# Altium PCB xialeste.PcbDoc (part 5 of 10) (continued)
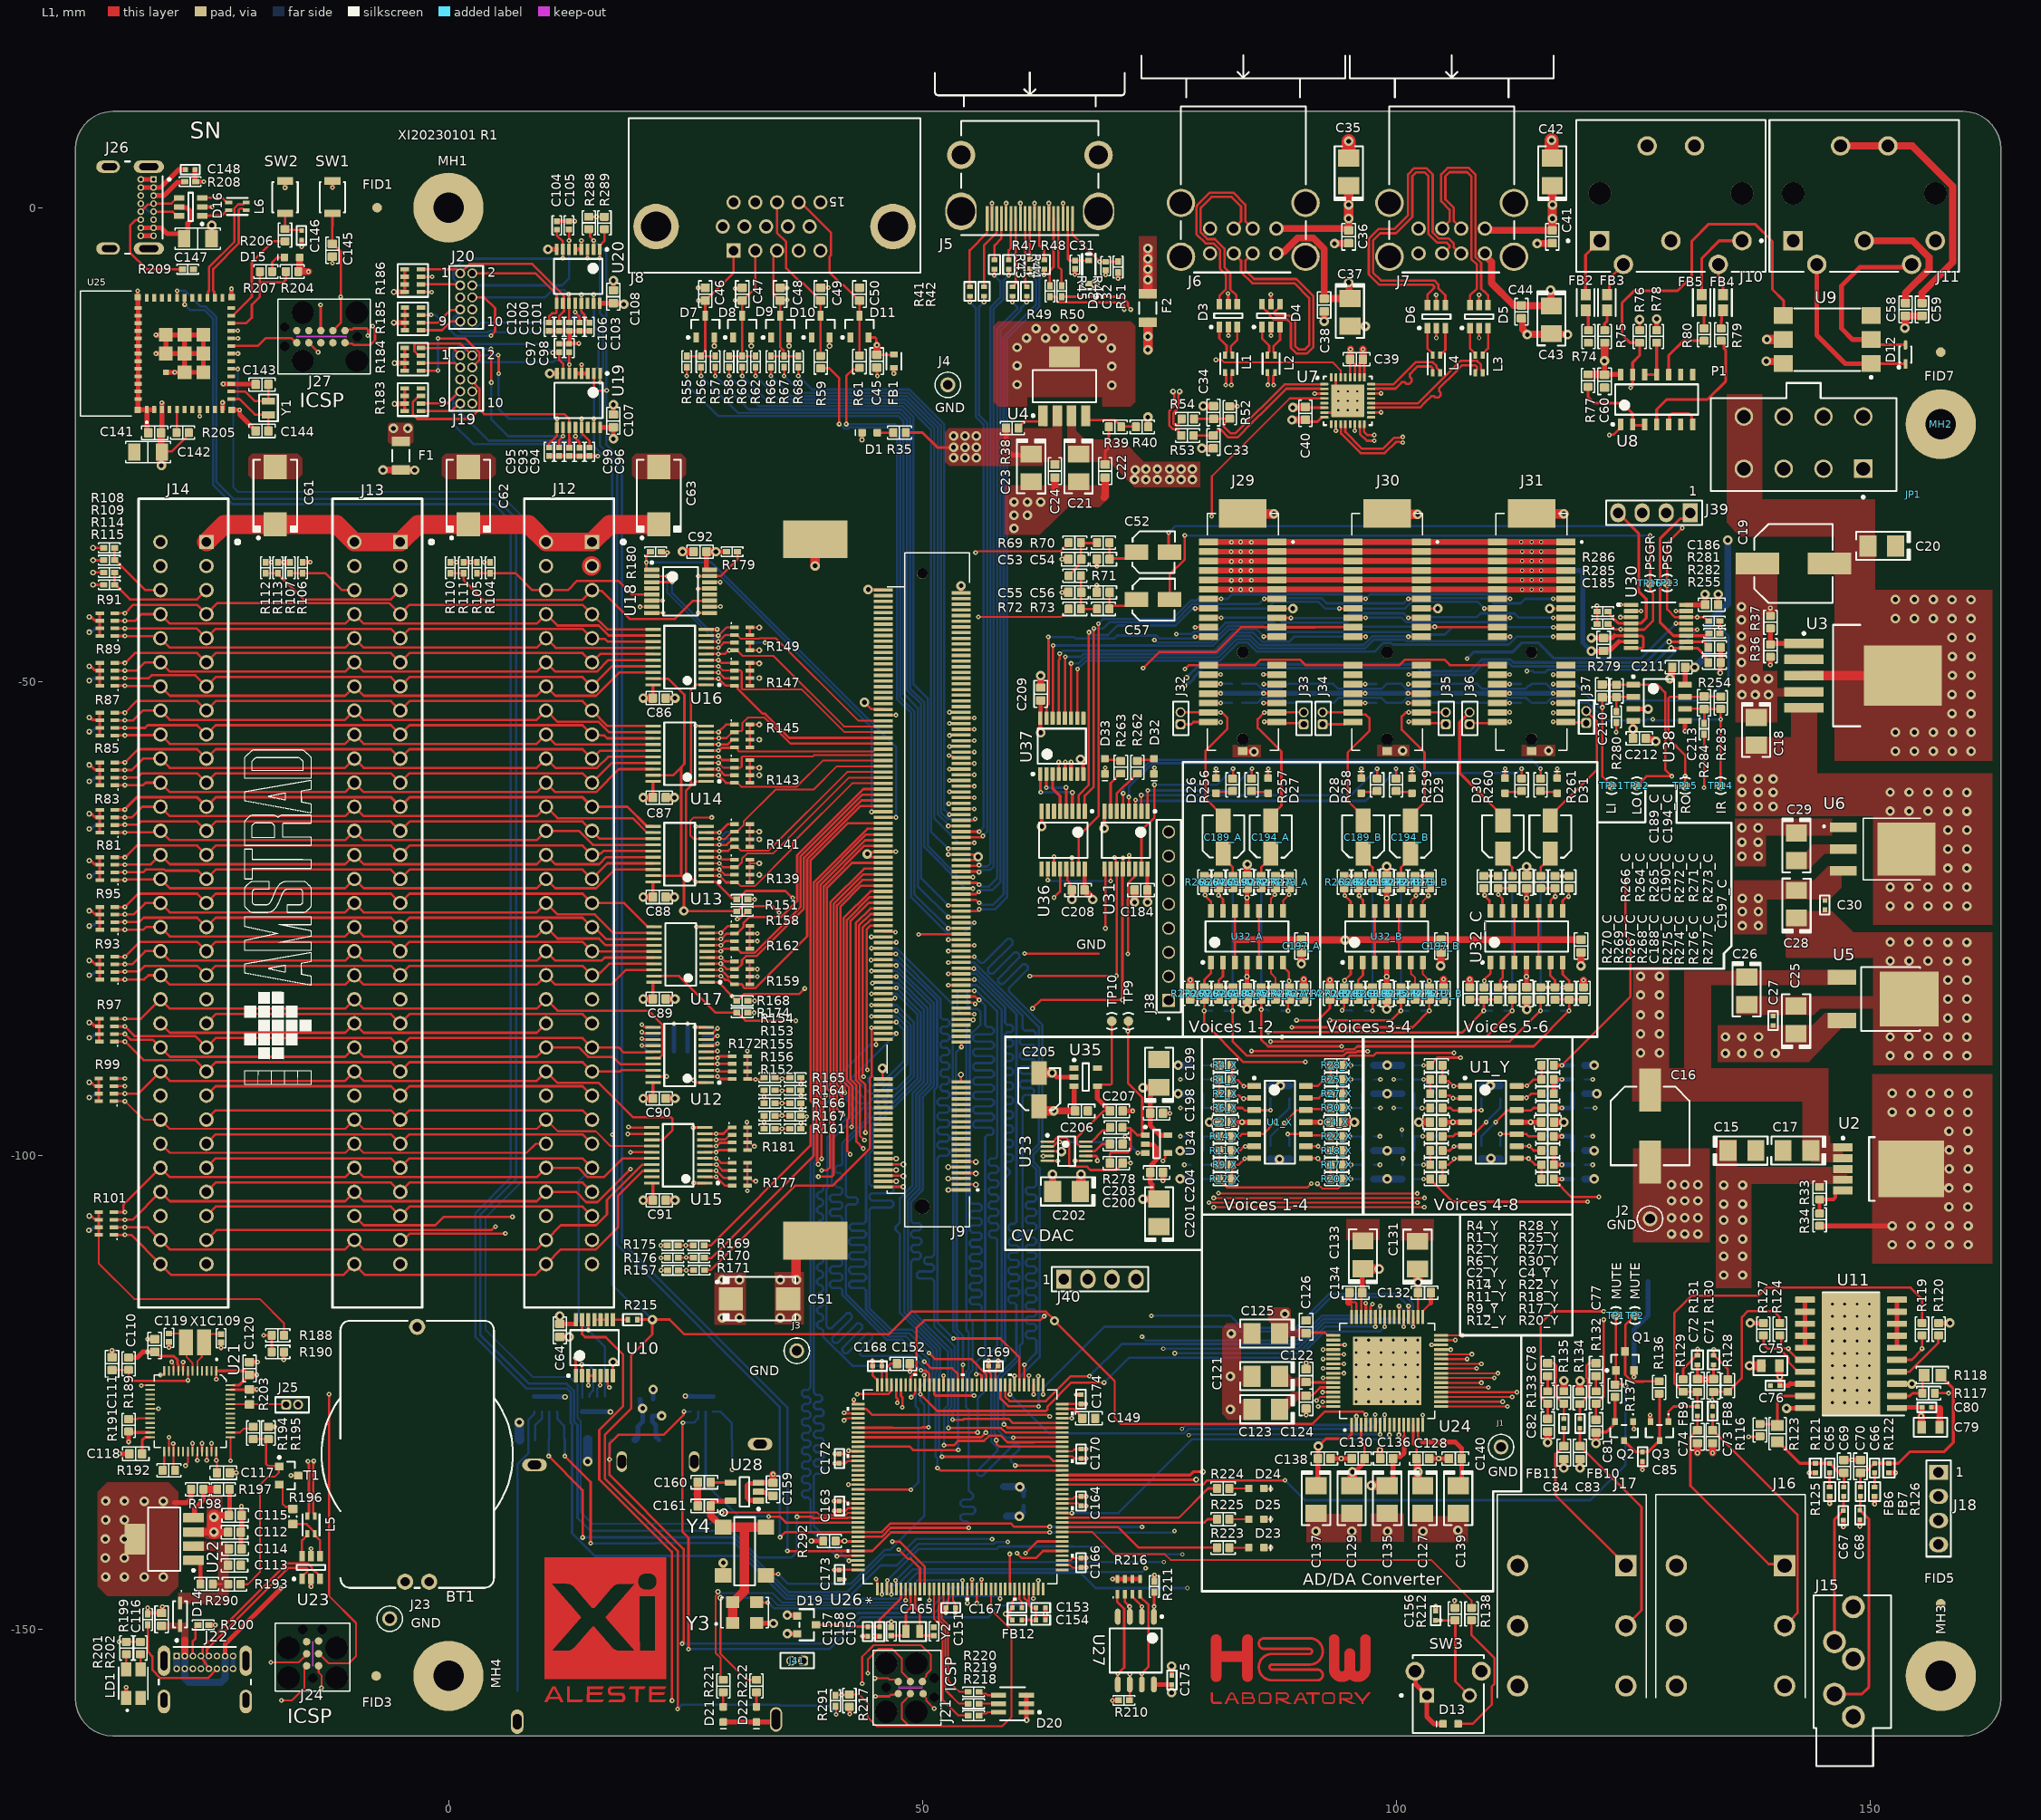
[diagram p0: L1 view]
## Nets (pads, with @x,y where several pads share a name; then routed paths per layer and width w, separated by ;. In a path a pad name is that pad's centre, name@x,y a point inside that pad or via, vN(x,y) a via of type N, cw(c..) or ccw(c..) an arc to the next point about the centre after c; other vN are vias at no path point) (continued)
  L1 w0.25: U12.3@27.2,-91.031 28.435,-91.031 28.554,-91.15 R172.3@29.95,-91.15 ; v1(44.2,-91) 44.2,-90.946 44.125,-90.871 44.125,-76.15 44.525,-75.75 J9.82@45.9,-75.75
  L3 w0.25: v1(28.381,-91.031) 28.397,-91.016 44.184,-91.016 v1(44.2,-91)
  L6 w0.25: v1@28.392,-91.031 28.435,-91.031 28.554,-91.15 R173.6@29.944,-91.15
/RESET: J12.52 J13.52 J14.52 R215.1 R291.2 U7.4 U19.15 U20.15 U24.4 U31.10 U36.10 | length 445.4
  L1 w0.2: J14.52@-30.464,-98.943 -30.194,-98.943 -29.395,-99.742 -10.893,-99.742 J13.52@-9.931,-98.78 -8.969,-99.742 8.258,-99.742 9.22,-98.78 J12.52@10.299,-98.78 ; R291.2@40.839,-158.142 40.9,-158.203 v1(40.9,-159) ; v1(63.247,-70.953) U36.10@63.247,-69.8 ; v2(63.949,-117.468) 70.311,-123.83 70.311,-127.738 70.899,-128.326 ; v1(69.875,-71.063) U31.10@69.875,-69.8 ; v1(80.543,-32.586) 80.558,-32.57 80.558,-28.342 88.775,-20.125 U7.4@92.425,-20.125 ; U24.4@96.81,-128.45 96.814,-128.446 96.814,-127.37 v1(96.817,-127.366)
  L1 w0.25: U20.15@15.323,-10.106 v1(15.323,-9.181) v1@15.376,-9.18 ; U19.15@15.35,-23.197 v1(15.35,-22.272) ; R215.1@20.029,-117.331 20.033,-117.328 20.906,-117.328 ; 20.906,-117.33 v2(21.511,-117.33) ; v1(24.173,-158.429) 24.189,-158.413 24.189,-141.765 16.51,-134.085 16.51,-129.498 19.3,-126.707 19.3,-121.1 21.511,-118.889 v2(21.511,-117.33) ; v2(63.949,-117.468) 63.949,-117.388 63.062,-116.501 48.851,-116.501 46.456,-118.895 24.895,-118.895 23.33,-117.33 v2(21.511,-117.33) ; 70.948,-128.359 91.155,-128.359 92.447,-127.066 96.517,-127.066 v1(96.817,-127.366)
  L3 w0.2: J12.52@10.3,-98.8 12.602,-98.8 13.584,-97.818 17.293,-97.818 v1(17.294,-97.819) ; v2(63.949,-117.468) 63.937,-117.456 63.937,-116.537 62.3,-114.9 62.3,-85.2 63.247,-84.253 v1(63.247,-70.953) 63.247,-66.937 61.8,-65.49 61.8,-51.802 61.85,-51.752 61.85,-49.84 61.8,-49.79 61.8,-38.763 67.977,-32.586 v1(80.543,-32.586)
  L6 w0.2: v1@63.255,-70.916 63.278,-70.916 63.424,-71.063 v1(69.875,-71.063)
  L6 w0.25: v1@15.376,-9.18 15.376,-12.576 15.825,-13.025 15.825,-16.768 15.35,-17.243 v1(15.35,-22.272) 15.35,-25.15 17.294,-27.094 v1(17.294,-97.819) 17.294,-113.669 19.079,-115.454 19.635,-115.454 v2(21.511,-117.33) ; v1(24.173,-158.429) 24.607,-157.995 34.932,-157.995 35.006,-158.068 40.126,-158.068 40.489,-158.431 40.489,-158.527 40.9,-158.938 v1(40.9,-159)
/RFSH: J9.88 R181.2 R182.7 U15.8 | length 47.5
  L1 w0.25: U15.8@27.05,-98.375 v1(28.25,-98.375) 28.288,-98.337 29.213,-98.337 29.7,-97.85 R181.2@29.95,-97.85 ; v1(43.9,-98.4) 43.418,-97.918 43.418,-92.485 42.975,-92.042 42.975,-75.5 44.525,-73.95 J9.88@45.9,-73.95
  L3 w0.25: v1(28.25,-98.375) 28.262,-98.388 43.888,-98.388 v1(43.9,-98.4)
  L6 w0.25: v1(28.25,-98.375) 28.26,-98.365 29.185,-98.365 29.7,-97.85 R182.7@29.95,-97.85
/ROMEN: J9.114 R177.2 R178.7 U15.4 | length 54.9
  L1 w0.25: U15.4@27.05,-100.975 v1(28.272,-100.975) 28.897,-101.6 R177.2@29.95,-101.6 ; v1(39.025,-100.955) 38.987,-100.917 38.987,-100.658 38.9,-100.572 38.9,-97.264 39.2,-96.964 39.2,-94.267 38.9,-93.967 38.9,-71.333 44.083,-66.15 J9.114@45.9,-66.15
  L3 w0.25: v1(28.272,-100.975) 28.282,-100.965 39.015,-100.965 v1(39.025,-100.955)
  L6 w0.25: v1(28.272,-100.975) 28.897,-101.6 R178.7@29.95,-101.6
/WR: J9.84 R172.4 R173.5 U12.2 | length 38.5
  L1 w0.25: U12.2@27.2,-91.681 28.435,-91.681 28.704,-91.95 R172.4@29.95,-91.95 ; v1(43.8,-91.7) 43.8,-91.646 43.725,-91.571 43.725,-75.95 44.525,-75.15 J9.84@45.9,-75.15
  L3 w0.25: v1(28.381,-91.681) 30.466,-91.681 30.722,-91.425 40.332,-91.425 40.607,-91.7 v1(43.8,-91.7)
  L6 w0.25: v1(28.381,-91.681) 28.435,-91.681 28.704,-91.95 29.915,-91.95 R173.5@29.944,-91.922
A0: J9.132 R139.4 R140.5 U13.2 | length 25.9
  L1 w0.2: R139.4@30.2,-71.2 30.45,-71.2 30.85,-71.6 32.333,-71.6 36.325,-67.608 36.325,-67.019 42.594,-60.75 J9.132@45.9,-60.75
  L1 w0.25: U13.2@27.2,-70.494 v1(28.58,-70.494) 29.286,-71.2 R139.4@30.2,-71.2
  L3 w0.2: v1(28.58,-70.494) v1@28.61,-70.494
  L6 w0.25: v1(28.58,-70.494) 29.286,-71.2 R140.5@30.2,-71.2
A1: J9.131 R139.3 R140.6 U13.3 | length 37
  L1 w0.25: U13.3@27.2,-69.844 28.602,-69.844 29.158,-70.4 R139.3@30.2,-70.4 ; J9.131@54.1,-61.05 v1(55.5,-61.05)
  L3 w0.25: v1(28.58,-69.844) 35.929,-69.844 44.722,-61.05 v1(55.5,-61.05)
  L6 w0.25: v1(28.58,-69.844) 28.602,-69.844 29.158,-70.4 R140.6@30.2,-70.4
A2: J9.134 R139.2 R140.7 U13.4 | length 24.8
  L1 w0.2: U13.4@27.2,-69.194 28.616,-69.194 28.616,-69.23 28.986,-69.6 30.45,-69.6 30.955,-69.095 30.955,-68.712 31.517,-68.15 34.259,-68.15 42.259,-60.15 J9.134@45.9,-60.15
  L6 w0.25: v1(28.58,-69.194) 28.616,-69.194 29.022,-69.6 R140.7@30.2,-69.6
A3: J9.133 R139.1 R140.8 U13.5 | length 33.7
  L1 w0.25: U13.5@27.2,-68.544 28.634,-68.544 28.89,-68.8 R139.1@30.2,-68.8 ; v1(52.875,-60.45) J9.133@54.1,-60.45
  L3 w0.2: v1(28.58,-68.544) 36.734,-68.544 44.827,-60.45
  L3 w0.25: 44.827,-60.45 v1(52.875,-60.45)
  L6 w0.25: v1(28.58,-68.544) 28.634,-68.544 28.89,-68.8 R140.8@30.2,-68.8
A4: J9.136 R141.4 R142.5 U13.6 | length 24.3
  L1 w0.2: R141.4@30.2,-67.45 30.45,-67.45 30.85,-67.85 33.775,-67.85 42.075,-59.55 J9.136@45.9,-59.55
  L1 w0.25: U13.6@27.2,-67.894 29.506,-67.894 29.95,-67.45 R141.4@30.2,-67.45
  L6 w0.25: v1(28.58,-67.894) 29.506,-67.894 29.95,-67.45 R142.5@30.2,-67.45
A5: J9.135 R141.3 R142.6 U13.7 | length 36.5
  L1 w0.25: U13.7@27.2,-67.244 29.356,-67.244 29.95,-66.65 R141.3@30.2,-66.65 ; J9.135@54.1,-59.85 v1(55.5,-59.85)
  L3 w0.25: v1(28.58,-67.244) 28.634,-67.244 28.734,-67.144 28.76,-67.144 36.032,-59.872 55.478,-59.872 v1(55.5,-59.85)
  L6 w0.25: v1(28.58,-67.244) 28.602,-67.244 29.195,-66.65 R142.6@30.2,-66.65
A6: J9.138 R141.2 R142.7 U13.8 U18.14 | length 56.3
  L1 w0.2: U13.8@26.558,-66.594 25.874,-66.594 25.509,-66.229 25.509,-64.739 25.896,-64.351 v1(27.783,-64.351) ; U13.8@27.2,-66.594 v1(28.58,-66.594) ; U18.14@27.55,-39.525 v1(28.675,-39.525) ; v1@28.618,-66.555 28.656,-66.594 29.206,-66.594 29.95,-65.85 30.45,-65.85 31.15,-65.15 31.15,-64.767 34.517,-61.4 38.534,-61.4 40.984,-58.95 J9.138@45.9,-58.95
  L3 w0.2: v1(27.783,-64.351) 27.786,-64.351 27.786,-43.79 28.216,-43.36 28.637,-43.36 29.434,-42.563 29.434,-40.284 v1(28.675,-39.525)
  L6 w0.25: v1(28.58,-66.594) 28.602,-66.594 29.343,-65.853 30.197,-65.853 R142.7@30.2,-65.85
A7: J9.137 R141.1 R142.8 U13.9 U18.13 | length 61.7
  L1 w0.25: v1(26.338,-40.221) 26.361,-40.198 27.527,-40.198 U18.13@27.55,-40.175 ; U13.9@27.2,-65.944 v1(28.58,-65.944) 29.474,-65.05 R141.1@30.2,-65.05 ; v1(52.875,-59.25) J9.137@54.1,-59.25
  L3 w0.25: v1(26.338,-40.221) 27.2,-41.083 27.2,-64.9 27.703,-65.403 28.039,-65.403 28.562,-65.926 v1@28.598,-65.926 ; v1(28.58,-65.944) v1@28.598,-65.926 ; v1@28.601,-65.926 v1@28.598,-65.926 ; v1(52.875,-59.25) 35.274,-59.25 v1@28.598,-65.926
  L6 w0.25: v1(28.58,-65.944) 29.474,-65.05 R142.8@30.2,-65.05
A8: J9.140 R143.4 R144.5 U14.2 | length 22.4
  L1 w0.2: R143.4@30.2,-60.7 30.3,-60.8 30.6,-60.8 30.9,-61.1 36.759,-61.1 39.509,-58.35 J9.140@45.9,-58.35
  L1 w0.25: U14.2@27.2,-59.9 v1(28.5,-59.9) 29.3,-60.7 R143.4@30.2,-60.7
  L6 w0.25: v1@28.502,-59.9 28.502,-59.902 29.3,-60.7 R144.5@30.2,-60.7
A9: J9.139 R143.3 R144.6 U14.3 | length 34.2
  L1 w0.25: U14.3@27.2,-59.25 27.205,-59.255 28.484,-59.255 v1(28.489,-59.261) ; v1@28.5,-59.25 28.522,-59.25 29.172,-59.9 R143.3@30.2,-59.9 ; J9.139@54.1,-58.65 v1(55.5,-58.65)
  L3 w0.2: v1(28.489,-59.261) v1@28.533,-59.261
  L3 w0.25: v1@28.533,-59.261 28.533,-59.239 29.472,-58.3 55.15,-58.3 v1(55.5,-58.65)
  L6 w0.25: v1@28.5,-59.25 28.522,-59.25 29.172,-59.9 R144.6@30.2,-59.9
A10: J9.142 R143.2 R144.7 U14.4 | length 21.9
  L1 w0.2: U14.4@27.2,-58.6 v1(28.5,-58.6) 29,-59.1 30.833,-59.1 30.95,-58.983 30.95,-58.017 31.067,-57.9 38.459,-57.9 38.609,-57.75 J9.142@45.9,-57.75
  L6 w0.25: v1(28.5,-58.6) 29,-59.1 R144.7@30.2,-59.1
A11: J9.141 R143.1 R144.8 U14.5 | length 30.7
  L1 w0.25: U14.5@27.2,-57.95 28.554,-57.95 28.904,-58.3 R143.1@30.2,-58.3 ; v1(52.813,-57.825) 52.851,-57.863 53.088,-57.863 53.275,-58.05 J9.141@54.1,-58.05
  L3 w0.25: v1(28.5,-57.95) 52.634,-57.95 52.759,-57.825 v1(52.813,-57.825)
  L6 w0.25: v1(28.5,-57.95) 28.554,-57.95 28.904,-58.3 R144.8@30.2,-58.3
A12: J9.144 R145.4 R146.5 U14.6 | length 21.1
  L1 w0.2: R145.4@30.2,-56.95 30.441,-56.95 30.541,-57.05 30.541,-57.283 30.659,-57.4 44.792,-57.4 44.817,-57.375 44.883,-57.375 45,-57.258 45,-57.225 45.075,-57.15 J9.144@45.9,-57.15
  L1 w0.25: U14.6@27.2,-57.3 27.205,-57.295 28.484,-57.295 v1(28.489,-57.289) ; v1@28.5,-57.3 28.532,-57.3 28.832,-57 30.15,-57 R145.4@30.2,-56.95
  L6 w0.25: v1@28.5,-57.3 28.532,-57.3 28.832,-57 30.15,-57 R146.5@30.2,-56.95
A13: J9.143 R145.3 R146.6 U14.7 | length 33.8
  L1 w0.25: U14.7@27.2,-56.65 29.45,-56.65 29.95,-56.15 R145.3@30.2,-56.15 ; J9.143@54.1,-57.45 v1(55.5,-57.45)
  L3 w0.25: v1(28.5,-56.65) 28.522,-56.65 29.222,-57.35 53.01,-57.35 53.11,-57.45 v1(55.5,-57.45)
  L6 w0.25: v1(28.5,-56.65) 29.45,-56.65 29.95,-56.15 R146.6@30.2,-56.15
A14: J9.146 R145.2 R146.7 U14.8 | length 23.1
  L1 w0.2: U14.8@27.2,-55.98 27.208,-55.988 28.488,-55.988 v1@28.512,-55.965 ; v1@28.527,-55.977 29.323,-55.977 29.973,-55.327 R145.2@30.2,-55.327 ; R145.2@30.2,-55.35 30.3,-55.25 30.883,-55.25 31,-55.133 31,-54.417 31.617,-53.8 33.34,-53.8 36.09,-56.55 J9.146@45.88,-56.55
  L6 w0.25: v1(28.523,-55.977) 29.323,-55.977 29.95,-55.35 R146.7@30.2,-55.35
A15: J9.145 R145.1 R146.8 U14.9 | length 31.6
  L1 w0.25: U14.9@27.2,-55.35 v1(28.5,-55.35) 29.3,-54.55 R145.1@30.2,-54.55 ; v1(52.875,-56.85) J9.145@54.1,-56.85
  L3 w0.25: v1(28.5,-55.35) 37.148,-55.35 38.648,-56.85 v1(52.875,-56.85)
  L6 w0.25: v1(28.5,-55.35) 29.3,-54.55 R146.8@30.2,-54.55
A16: J9.148 R147.4 R148.5 U16.2 | length 23.4
  L1 w0.25: U16.2@27.2,-49.7 27.205,-49.705 28.493,-49.705 29.238,-50.45 R147.4@30.2,-50.45 ; R147.4@30.2,-50.45 30.45,-50.45 30.525,-50.525 30.525,-50.768 33.166,-53.409 33.409,-53.409 35.95,-55.95 J9.148@45.9,-55.95
  L6 w0.25: v1(28.497,-49.709) 29.238,-50.45 R148.5@30.2,-50.45
A17: J9.147 R147.3 R148.6 U16.3 | length 36.6
  L1 w0.25: U16.3@27.2,-49.05 28.51,-49.05 29.11,-49.65 R147.3@30.2,-49.65 ; J9.147@54.1,-56.25 v1(55.5,-56.25)
  L3 w0.2: v1(28.488,-49.05) 31.343,-49.05
  L3 w0.25: 31.343,-49.05 38.543,-56.25 v1(55.5,-56.25)
  L6 w0.25: v1(28.488,-49.05) 28.51,-49.05 29.11,-49.65 R148.6@30.2,-49.65
A18: J9.150 R147.2 R148.7 U16.4 | length 24.5
  L1 w0.2: U16.4@27.2,-48.4 v1(28.488,-48.4) 28.938,-48.85 R147.2@30.2,-48.85 ; R147.2@30.2,-48.85 30.833,-48.85 30.95,-48.967 30.95,-50.733 31.067,-50.85 37.29,-50.85 41.789,-55.35 J9.150@45.9,-55.35
  L6 w0.25: v1(28.488,-48.4) 28.51,-48.4 28.96,-48.85 R148.7@30.2,-48.85
A19: J9.149 R147.1 R148.8 U16.5 | length 34.3
  L1 w0.25: U16.5@27.2,-47.75 28.542,-47.75 28.842,-48.05 R147.1@30.2,-48.05 ; v1(52.875,-55.7) 52.9,-55.675 54.075,-55.675 J9.149@54.1,-55.65
  L3 w0.2: v1(28.488,-47.75) 30.723,-47.75 31.173,-47.3 33.739,-47.3 42.139,-55.7 v1(52.875,-55.7)
  L6 w0.25: v1(28.488,-47.75) 28.542,-47.75 28.842,-48.05 R148.8@30.2,-48.05
A20: J9.152 R149.4 R150.5 U16.6 | length 22.8
  L1 w0.2: R149.4@30.2,-46.7 30.45,-46.7 31.05,-47.3 34.3,-47.3 41.75,-54.75 J9.152@45.794,-54.75
  L1 w0.25: U16.6@27.2,-47.1 v1(28.488,-47.1) 29.176,-47.1 29.576,-46.7 v1(29.625,-46.7)
  L6 w0.25: v1(28.488,-47.1) 29.157,-47.1 29.557,-46.7 v1@29.6,-46.7
A21: J9.151 R149.3 R150.6 U16.7 | length 37.5
  L1 w0.25: U16.7@27.2,-46.45 28.51,-46.45 29.06,-45.9 R149.3@30.2,-45.9 ; J9.151@54.1,-55.05 v1(55.5,-55.05)
  L3 w0.2: v1(28.488,-46.45) 29.239,-46.45 29.489,-46.2 33.064,-46.2 42.089,-55.225 55.257,-55.225 55.432,-55.05 v1(55.5,-55.05)
  L6 w0.25: v1(28.488,-46.45) 28.51,-46.45 29.06,-45.9 R150.6@30.2,-45.9
A22: J9.154 R149.2 R150.7 U16.8 U18.2 | length 35.7
  L1 w0.2: U18.2@21.45,-38.875 21.462,-38.888 23.088,-38.888 v1(23.1,-38.9) ; U16.8@27.204,-45.804 27.207,-45.8 28.48,-45.8 v1@28.484,-45.804 ; v1(28.488,-45.8) 29.184,-45.104 30.454,-45.104 30.85,-45.5 32.775,-45.5 32.825,-45.45 34.56,-45.45 43.264,-54.154 J9.154@45.896,-54.154
  L6 w0.2: v1(23.1,-38.9) 23.1,-40.638 27.918,-45.457 28.089,-45.457 28.432,-45.8 v1(28.488,-45.8)
  L6 w0.25: v1(28.488,-45.8) 28.51,-45.8 29.21,-45.1 R150.7@30.2,-45.1
A23: J9.153 R149.1 R150.8 U16.9 U18.3 | length 45
  L1 w0.2: U16.9@27.2,-45.15 27.21,-45.16 28.458,-45.16 v1(28.468,-45.17) 29.338,-44.3 R149.1@30.2,-44.3
  L1 w0.25: U18.3@21.45,-39.525 21.462,-39.512 23.588,-39.512 v1(23.6,-39.5) ; v1(52.875,-54.425) 52.887,-54.438 54.087,-54.438 J9.153@54.1,-54.45
  L3 w0.2: v1(28.468,-45.17) 43.62,-45.17 v1(52.875,-54.425)
  L6 w0.25: v1(23.6,-39.5) 23.6,-40.679 28.053,-45.132 28.43,-45.132 v1(28.468,-45.17) 29.338,-44.3 R150.8@30.2,-44.3
ADJ3V3: R39.1 R40.1 U4.4 | length 6.2
  L1 w0.25: U4.4@67,-21.75 67,-21.811 67.625,-22.436 70.35,-22.436 71,-23.086 72.5,-23.086 R40.1@72.55,-23.136
AGND: C2_X.2 C2_Y.2 C4_X.2 C4_Y.2 C5_X.1 C5_Y.1 C8_X.1 C8_Y.1 C11_X.1 C11_Y.1 C14_X.1 C14_Y.1 C15.2 C16.2 C17.2 C18.1 C19.1 C20.1 C25.2 C26.2 C27.2 C28.1 C29.1 C30.2 C53.1 C54.1 C55.2 C56.2 C67.2 C68.2 C69.1 C70.1 C71.1 C72.1 C73.1 C74.1 C75.2 C76.2 C79.1 C80.1 C81.1 C82.1 C83.1 C84.1 C85.1 C121.2 C122.2 C123.2 C124.2 C125.2 C126.2 C127.2 C128.2 C129.2 C130.2 C131.2 C132.2 C137.2 C138.2 C139.2 C140.2 C185.2 C186.2 C188_A.2 C188_B.2 C188_C.2 C190_A.2 C190_B.2 C190_C.2 C197_A.1 C197_B.1 C197_C.1 C198.1 C199.2 C201.1 C202.2 C203.1 C204.1 C205.2 C206.1 C207.1 C211.2 C212.2 J1.1 J2.1 J15.1 J16.S J17.S J29.A3 J29.A6 J29.A13 J29.A15 J29.B3 J29.B6 J29.B13 J29.B15 J29.S1 J29.S2 J30.A3 J30.A6 J30.A13 J30.A15 J30.B3 J30.B6 J30.B13 J30.B15 J30.S1 J30.S2 J31.A3 J31.A6 J31.A13 J31.A15 J31.B3 J31.B6 J31.B13 J31.B15 J31.S1 J31.S2 J40.1 JP1.2 pad.66 pad.67 pad.68 pad.69 pad.70 pad.71 pad.72 pad.73 pad.74 pad.75 pad.76 pad.77 pad.78 pad.79 pad.80 pad.81 pad.82 pad.83 pad.84 pad.85 pad.86 pad.87 pad.88 pad.89 pad.90 pad.91 pad.92 pad.93 pad.94 pad.95 pad.96 pad.97 pad.98 pad.99 pad.100 pad.101 Q2.2 Q3.2 R7_X.1 R7_Y.1 R8_X.1 R8_Y.1 R15_X.1 R15_Y.1 R16_X.1 R16_Y.1 R23_X.1 R23_Y.1 R24_X.1 R24_Y.1 R31_X.1 R31_Y.1 R32_X.1 R32_Y.1 R34.1 R37.1 R120.1 R121.1 R122.1 R125.1 R126.1 R127.1 R130.1 R131.1 R134.1 R135.1 R137.1 R254.1 R255.1 R270_A.1 R270_B.1 R270_C.1 R277_A.1 R277_B.1 R277_C.1 U2.6 U3.2 U3.4 U5.4 U6.1 U11.6 U11.7 U11.8 U11.9 U11.10 U11.11 U11.12 U11.13 U11.14 U11.15 U11.21@148,-120.95 U24.2 U24.16 U24.33 U24.50 U24.65 U30.6 U30.8 U33.3 U35.2 U38.3 U38.5 | length 339.2
  L1 w0.2: U24.2@95.81,-128.45 95.812,-128.448 95.812,-127.543 v1(95.814,-127.541) ; U24.33@102.81,-117.05 102.81,-116.44 103.675,-115.575
  L1 w0.25: U33.3@63.202,-99.572 64.672,-99.572 v2(64.7,-99.6) ; C203.1@71.152,-98.823 71.381,-98.594 71.381,-98.047 v1(71.419,-98.009) ; J29.B15@80.22,-51.28 80.235,-51.265 81.485,-51.265 v1@81.5,-51.28 ; J29.B13@80.22,-49.28 80.235,-49.265 81.485,-49.265 v1(81.5,-49.25) ; v1(86,-49.25) 86.015,-49.265 87.405,-49.265 J29.A13@87.42,-49.28 ; v1(86.015,-51.25) 86.03,-51.265 87.405,-51.265 J29.A15@87.42,-51.28 ; J30.B15@95.46,-51.28 95.475,-51.265 96.735,-51.265 v1(96.75,-51.25) ; v1(101.265,-51.25) 101.28,-51.265 102.645,-51.265 J30.A15@102.66,-51.28 ; v1(101.335,-49.25) 101.35,-49.265 102.645,-49.265 J30.A13@102.66,-49.28 ; J31.B15@110.7,-51.28 110.715,-51.265 111.97,-51.265 v1(111.985,-51.25) ; J31.B13@110.7,-49.28 110.715,-49.265 111.985,-49.265 v1(112,-49.25) ; v1(116.575,-51.25) 116.59,-51.265 117.885,-51.265 J31.A15@117.9,-51.28 ; v1(116.575,-49.28) J31.A13@117.9,-49.28
  L1 w0.3: U24.16@102.81,-128.45 v1(102.81,-127.41) ; C81.1@121.1,-129.25 121.15,-129.2 122.2,-129.2 123.1,-128.3 Q2.2@123.1,-128.1 R137.1@123.1,-125.5 ; 123.025,-45.175 U30.6@124.8,-45.175 124.825,-45.2 125.924,-45.2 126.1,-45.376 126.1,-46.324 125.924,-46.5 U30.8@124.7,-46.5 ; C72.1@131.8,-123.625 R131.1@131.8,-122.2 ; C71.1@133.325,-123.625 C71.1@133.4,-123.7 ; C71.1@133.5,-123.625 R130.1@133.5,-122.1
  L1 w0.4: J29.S2@83.82,-57.335 83.852,-57.368 84.968,-57.368 v2(85,-57.4) ; J29.S1@83.82,-32.28 J29.S1@83.84,-32.3
  L1 w0.5: v2(63.7,-91.3) 63.71,-91.3 64.16,-91.75 U35.2@66.025,-91.75 ; v1(64.75,-40.6) C55.2@65.425,-40.6 ; v1(64.75,-37.1) C53.1@65.425,-37.1 ; v1(68.409,-39.85) 68.409,-40.584 C56.2@68.425,-40.6 ; v1(68.419,-37.85) 68.419,-37.106 C54.1@68.425,-37.1 ; C207.1@71.152,-95.322 v1(72.227,-95.322) ; v1(75.4,-102.7) 75.4,-101.824 C204.1@75.402,-101.822 ; C198.1@75.402,-95.572 v1(76.128,-95.572) ; v1(90.5,-127.411) C124.2@90.5,-126.736 ; C122.2@90.5,-122.575 v1(90.5,-121.9) ; C138.2@93.1,-132 v3(94.2,-132) C130.2@95.325,-132 ; C128.2@103.5,-132 v3(104.5,-132) C140.2@105.575,-132 ; 103.675,-115.575 C132.2@103.675,-114.5 ; v2@120.5,-45.4 120.513,-45.413 C185.2@121.9,-45.413 ; C185.2@121.9,-45.425 121.935,-45.39 122.81,-45.39 123.025,-45.175 ; U38.3@125.025,-52.885 125.033,-52.892 126.592,-52.892 v2(126.6,-52.9) ; v1(126,-133.2) C85.1@126,-132.3 ; v1(126.8,-127.4) 126.8,-128.05 Q3.2@126.85,-128.1 ; U38.5@130.475,-54.155 130.475,-55.225 v1(130.5,-55.25) ; C186.2@133.975,-41.9 133.987,-41.888 133.987,-40.813 v2(134,-40.8) ; v3(134.2,-49.1) 134.219,-49.081 134.219,-48.031 R254.1@134.25,-48 R255.1@134.25,-46.4 ; v2(137.368,-117.7) R127.1@138.75,-117.7 ; R37.1@139.5,-43.1 v1(139.5,-42.25) ; U11.15@143.15,-120.315 U11.14@143.15,-119.045 U11.13@143.15,-117.775 U11.12@143.15,-116.505 U11.11@143.15,-115.235 ; v1(143.6,-133.5) R121.1@144.25,-133.5 ; R34.1@144.7,-107.45 152.25,-107.45 v2@152.3,-107.5 ; v1(145.75,-136.75) R125.1@145.75,-136 ; v1(147.2,-139.2) C67.2@147.2,-138.5 ; C69.1@147.25,-132.15 v1(148.103,-132.15) 148.75,-132.15 C70.1@148.8,-132.2 ; v1(148.944,-139.165) C68.2@148.944,-138.456 ; v1(150.5,-136.8) R126.1@150.5,-136 ; R122.1@152,-133.5 v1(152.7,-133.5) ; U11.6@152.85,-120.315 U11.7@152.85,-119.045 U11.8@152.85,-117.775 U11.9@152.85,-116.505 U11.10@152.85,-115.235 ; C80.1@156.5,-126.6 156.504,-126.604 157.304,-126.604 157.4,-126.7 157.375,-126.725 ; R120.1@157.25,-117.7 v2(158.444,-117.7)
  L1 w0.6: J29.B6@80.22,-40.28 80.24,-40.3 87.4,-40.3 J29.A6@87.42,-40.28 J30.B6@95.46,-40.28 J30.A6@102.66,-40.28 J31.B6@110.7,-40.28 110.72,-40.3 v4(113.3,-40.3) 117.83,-40.3 J31.A6@117.85,-40.28 ; J29.B3@80.22,-37.28 v1@83.58,-37.28 ; v1(83.6,-37.3) v1@83.58,-37.28 ; J31.A3@117.9,-37.28 117.88,-37.3 v4(115.3,-37.3) 110.72,-37.3 J31.B3@110.7,-37.28 J30.A3@102.66,-37.28 J30.B3@95.46,-37.28 J29.A3@87.42,-37.28 v1@83.58,-37.28
  L1 w0.75: v2(63.75,-102) 63.759,-102.008 63.759,-103.814 C202.2@63.767,-103.822 ; R270_A.1@78.267,-82.272 78.3,-82.239 v1(78.3,-81.5) ; v2(80.3,-96.5) C2_X.2@81.325,-96.5 ; v2(84.267,-84.567) C188_A.2@84.267,-83.597 ; C190_A.2@84.267,-70.497 84.283,-70.48 84.283,-69.317 v2(84.3,-69.3) ; v2(90,-79.8) 90.008,-79.792 90.008,-78.605 C197_A.1@90.017,-78.597 ; R277_A.1@90.267,-82.272 v1(90.267,-81.433) ; v1(93,-81.5) 93,-82.255 R270_B.1@93.017,-82.272 ; C4_X.2@94.425,-96.5 v2(95.6,-96.5) ; v2(99.017,-84.583) C188_B.2@99.017,-83.597 ; C190_B.2@99.017,-70.497 v2(99.017,-69.522) ; v2(102.4,-96.5) C2_Y.2@103.575,-96.5 ; v2(104.7,-80) 104.734,-79.966 104.734,-78.631 C197_B.1@104.767,-78.597 ; R277_B.1@105.017,-82.272 v1(105.017,-81.417) ; R270_C.1@107.767,-82.272 v1(107.767,-81.433) ; C188_C.2@113.767,-83.597 113.784,-83.613 113.784,-84.584 v2(113.8,-84.6) ; C190_C.2@113.767,-70.497 v2(113.767,-69.533) ; v2(116,-130.3) C82.1@116,-129.15 ; C4_Y.2@116.675,-96.5 v2(117.7,-96.5) ; v2(117.7,-133) C84.1@117.7,-132.05 ; R135.1@117.7,-124.9 117.71,-124.89 117.71,-123.79 v2(117.72,-123.78) ; R134.1@119.38,-124.935 119.39,-124.925 119.39,-123.81 v2(119.4,-123.8) ; v2(119.4,-133) C83.1@119.4,-132.05 ; v2(119.5,-80) 119.509,-79.991 119.509,-78.606 C197_C.1@119.517,-78.597 ; R277_C.1@119.767,-82.272 v1(119.767,-81.533) ; v2(121.1,-130.4) C81.1@121.1,-129.25 ; C212.2@126.35,-56 126.425,-56.075 126.425,-56.125 127.124,-56.125 127.332,-56.333 v2(127.4,-56.333) ; v2(128.9,-49.7) 128.9,-49.632 129.075,-49.457 129.075,-48.575 C211.2@129.15,-48.5 ; v1(131.8,-131.4) C74.1@131.8,-130.375 ; C72.1@131.8,-123.625 v1(132.675,-123.625) 133.325,-123.625 133.375,-123.625 C71.1@133.5,-123.5 ; v1(133.4,-131.4) C73.1@133.4,-130.375 ; C79.1@157.35,-128.7 157.375,-128.675 157.375,-126.725
  L1 w1: C205.2@62.336,-91.334 62.369,-91.3 v2(63.7,-91.3) ; J29.S1@83.84,-32.3 v2(87.1,-32.3) ; J30.S1@99.06,-32.28 99.135,-32.355 v2(102.28,-32.355) ; J31.S1@114.3,-32.28 114.32,-32.3 v2(117.7,-32.3) ; v2(137.3,-122.2) C75.2@138.55,-122.2
  L6 w0.5: v1(81.5,-51.25) 101.335,-51.25 v1(111.985,-51.25) v1@111.992,-51.257 ; v1(83.6,-40.3) v4(114.3,-40.3) ; v1(83.6,-37.3) v4(113.3,-37.3) v4(114.3,-37.3) ; v1@112,-51.25 v1@116.5,-51.25
  L6 w0.75: v2(77,-93.5) R8_X.1@78.35,-93.5 ; v2(77,-90.5) R7_X.1@78.35,-90.5 ; v2@77.17,-99.54 77.19,-99.52 78.33,-99.52 R16_X.1@78.35,-99.5 ; v2(77.2,-102.5) R15_X.1@78.35,-102.5 ; C14_X.1@86.75,-100.343 86.787,-100.38 87.662,-100.38 v2(87.7,-100.418) 87.738,-100.38 88.712,-100.38 C11_X.1@88.75,-100.343 ; C5_X.1@86.765,-92.659 C8_X.1@88.765,-92.659 ; R23_X.1@97.65,-102.5 v2(99.06,-102.5) R15_Y.1@100.6,-102.5 ; R24_X.1@97.65,-99.5 v2(99.06,-99.5) R16_Y.1@100.6,-99.5 ; R32_X.1@97.65,-93.5 v2(99.06,-93.5) R8_Y.1@100.6,-93.5 ; R31_X.1@97.65,-90.5 v2(99.06,-90.5) R7_Y.1@100.6,-90.5 ; C14_Y.1@109,-100.343 109.012,-100.33 109.988,-100.33 v2(110,-100.318) 110.012,-100.33 110.987,-100.33 C11_Y.1@111,-100.343 ; C5_Y.1@109.015,-92.659 C8_Y.1@111.015,-92.659 ; R23_Y.1@119.9,-102.5 v2(120.9,-102.5) ; R24_Y.1@119.9,-99.5 v2(120.9,-99.5) ; R32_Y.1@119.9,-93.5 v2(121.175,-93.5) ; R31_Y.1@119.9,-90.5 v2(120.9,-90.5)
  other v1: 82.6,-40.3 84.7,-40.3 82.625,-37.332 84.725,-37.312
  other v2: 152.363,-109.44 154.363,-109.44 156.363,-109.44 158.363,-109.44 160.363,-109.44 129.058,-108.302 130.458,-108.302 131.858,-108.302 152.363,-107.44 154.363,-107.44 156.363,-107.44 158.363,-107.44 160.363,-107.44 129.058,-106.602 130.458,-106.602 131.858,-106.602 158.344,-105.457 160.344,-105.457 129.058,-104.802 130.458,-104.802 131.858,-104.802 158.344,-103.457 160.344,-103.457 129.058,-103.102 130.458,-103.102 131.858,-103.102 158.363,-101.44 160.363,-101.44 77.2,-99.54 158.363,-99.44 160.363,-99.44 158.344,-97.457 160.344,-97.457 158.344,-95.457 160.344,-95.457 152.363,-95.44 154.363,-95.44 156.363,-95.44 152.363,-93.44 154.363,-93.44 156.363,-93.44 158.344,-93.457 160.344,-93.457 87.79,-92.659 109.94,-92.659 152.14,-89.5 154.14,-89.5 156.14,-89.5 158.24,-89.5 160.24,-89.5 158.221,-87.517 160.221,-87.517 152.14,-87.5 154.14,-87.5 156.14,-87.5 158.221,-85.517 160.221,-85.517 158.24,-83.5 160.24,-83.5 158.24,-81.5 160.24,-81.5 158.221,-79.517 160.221,-79.517 152.14,-79.5 154.14,-79.5 156.14,-79.5 158.221,-77.517 160.221,-77.517 152.14,-77.5 154.14,-77.5 156.14,-77.5 136.5,-68.45 138.2,-68.45 136.5,-66.95 138.2,-66.95 136.5,-65.45 138.2,-65.45 100.7,-57.3 116.1,-57.3 136.5,-51.4 137.9,-51.4 139.3,-51.4 136.5,-49.7 137.9,-49.7 139.3,-49.7 136.45,-48 136.45,-46.6 120.6,-45.4 136.45,-45.2 136.45,-43.5 136.45,-42.1
  other v4: 115.3,-40.3
  other v6: 91.533,-139.672 95.333,-139.672 102.833,-139.672 106.533,-139.572 82.503,-126.816 82.503,-123.316 82.603,-118.816
AUX_L: J39.1 R282.1 U30.11 | length 19.1
  L1 w0.3: J39.1@131.04,-32.2 130.406,-32.834 129.966,-32.834 127.842,-34.958 127.842,-43.742 129.275,-45.175 U30.11@130.6,-45.175 132.7,-45.175 R282.1@133.075,-44.8
AUX_R: J39.4 R286.1 U30.4 | length 17.2
  L1 w0.3: R286.1@122.375,-42.624 122.45,-42.624 122.6,-42.774 122.6,-43 123.475,-43.875 U30.4@124.8,-43.875 125.825,-43.875 126.4,-43.3 126.4,-41.3 125.6,-40.5 125.6,-34.38 J39.4@123.42,-32.2
B1: J9.117 R66.1 | length 64.5
  L1 w0.25: v1(34.025,-17.75) R66.1@34.025,-16.825 ; v1(52.75,-65.25) J9.117@54.1,-65.25
  L6 w0.25: v1(34.025,-17.75) 36.175,-19.9 48.37,-19.9 51.625,-23.155 51.625,-63.979 52.646,-65 52.75,-65
B2: J9.119 R67.1 | length 65.9
  L1 w0.25: v1(35.425,-17.75) R67.1@35.425,-16.825 ; J9.119@54.1,-64.65 55.408,-64.65 55.541,-64.517 v1(55.595,-64.517)
  L6 w0.25: v1(35.425,-17.75) 37.225,-19.55 48.515,-19.55 51.975,-23.01 51.975,-63.834 52.662,-64.52 55.592,-64.52 v1(55.595,-64.517)
B3: J9.121 R68.1 | length 61.1
  L1 w0.25: v1(36.925,-17.75) R68.1@36.925,-16.825 ; v1(52.858,-64.045) 52.861,-64.048 54.098,-64.048 J9.121@54.1,-64.05
  L6 w0.25: v1(36.925,-17.75) 38.375,-19.2 48.66,-19.2 52.325,-22.865 52.325,-63.512 v1(52.858,-64.045)
B_CLK4P0: J12.62 J13.62 J14.62 R101.1 R102.8 U15.18 | length 67
  L1 w0.25: R101.1@-35.3,-108.4 -34.3,-108.4 -33.469,-108.4 J14.62@-30.389,-111.48 -29.248,-112.621 -11.072,-112.621 J13.62@-9.951,-111.5 ; J13.62@-9.931,-111.48 J13.62@-9.951,-111.5 ; U15.18@21.45,-101.625 21.425,-101.65 20.505,-101.65 17.907,-104.248 17.907,-107.579 15.559,-109.927 11.852,-109.927 J12.62@10.299,-111.48 9.158,-112.621 -8.79,-112.621 -9.911,-111.5 -9.931,-111.5 J13.62@-9.951,-111.5
  L6 w0.25: R102.8@-35.3,-108.4 v1@-34.3,-108.4
  other v1: -34.15,-108.4
B_CLK4P1: J12.60 J13.60 J14.60 R101.2 R102.7 U15.17 | length 64.1
  L1 w0.25: R101.2@-35.3,-107.6 -34.3,-107.6 -31.729,-107.6 J14.60@-30.389,-108.94 -29.402,-109.927 -10.918,-109.927 J13.60@-9.931,-108.94 -8.944,-109.927 9.312,-109.927 J12.60@10.299,-108.94 11.852,-107.387 15.559,-107.387 16.721,-106.224 16.721,-104.715 20.436,-101 21.425,-101 U15.17@21.45,-100.975
  L6 w0.25: R102.7@-35.3,-107.6 v1@-34.3,-107.6
  other v1: -34.15,-107.6
B_RAMDIS: J12.57 J13.57 J14.57 R170.2 R176.1 | length 56.3
  L1 w0.25: J14.57@-25.538,-106.4 -24.551,-105.413 -6.067,-105.413 J13.57@-5.08,-106.4 -4.093,-105.413 14.163,-105.413 J12.57@15.15,-106.4 ; R176.1@24.254,-110.814 24.267,-110.801 25.082,-110.801 v1(25.095,-110.789) 25.107,-110.801 25.842,-110.801 R170.2@25.854,-110.814
  L3 w0.25: J12.57@15.15,-106.4 15.394,-106.644 16.244,-106.644 21.106,-111.506 24.356,-111.506 25.073,-110.789 v1(25.095,-110.789)
B_READY: J12.51 J13.51 J14.51 R157.1 R171.2 | length 67
  L1 w0.25: J14.51@-25.538,-98.78 -24.551,-97.793 -6.067,-97.793 J13.51@-5.08,-98.78 -4.093,-97.793 14.163,-97.793 J12.51@15.15,-98.78 ; R157.1@24.273,-112.134 24.282,-112.124 25.799,-112.124 R171.2@25.819,-112.144
  L3 w0.25: J12.51@15.15,-98.78 15.118,-98.812 15.118,-99.771 13.563,-101.325 13.563,-106.851 14.393,-107.681 15.839,-107.681 21.107,-112.95 24.272,-112.95 v1(25.081,-112.141)
B_ROMDIS: J12.55 J13.55 J14.55 R169.2 R175.1 | length 56.1
  L1 w0.25: J14.55@-25.538,-103.86 -24.551,-102.873 -6.067,-102.873 J13.55@-5.08,-103.86 -4.093,-102.873 14.163,-102.873 J12.55@15.15,-103.86 ; R175.1@24.232,-109.514 v1(25.032,-109.514) R169.2@25.832,-109.514
  L3 w0.25: J12.55@15.15,-103.86 20.278,-108.988 24.506,-108.988 v1(25.032,-109.514)
BA0: J12.30 J13.30 J14.30 R81.1 R82.8 U13.18 | length 60.5
  L1 w0.25: R81.1@-35.2,-70.95 -35.179,-70.929 -34.432,-70.929 -34.366,-70.929 -34.285,-70.908 -34.311,-70.874 -30.423,-70.874 J14.30@-30.389,-70.84 -29.402,-71.827 -10.918,-71.827 J13.30@-9.931,-70.84 -8.944,-71.827 9.312,-71.827 J12.30@10.299,-70.84 11.286,-71.827 15.559,-71.827 17.542,-69.844 U13.18@21.6,-69.844
  L6 w0.25: R82.8@-35.2,-70.95 -35.189,-70.939 -34.443,-70.939 -34.432,-70.929
  other v1: -34.15,-70.929